# Altium PCB BTF16_2.PcbDoc (part 4 of 4)
Units mm, origin at the board's own origin, x right, y up, seen from the top; angles counter-clockwise.
Board outline 150 x 212.5 mm, 4 copper layers (L1, L2, L3, L4), stack 1.606 mm thick; 313 components, 135 nets, 1767 pads, 1746 vias.
Unrouted connection lines stored in the file: 6.
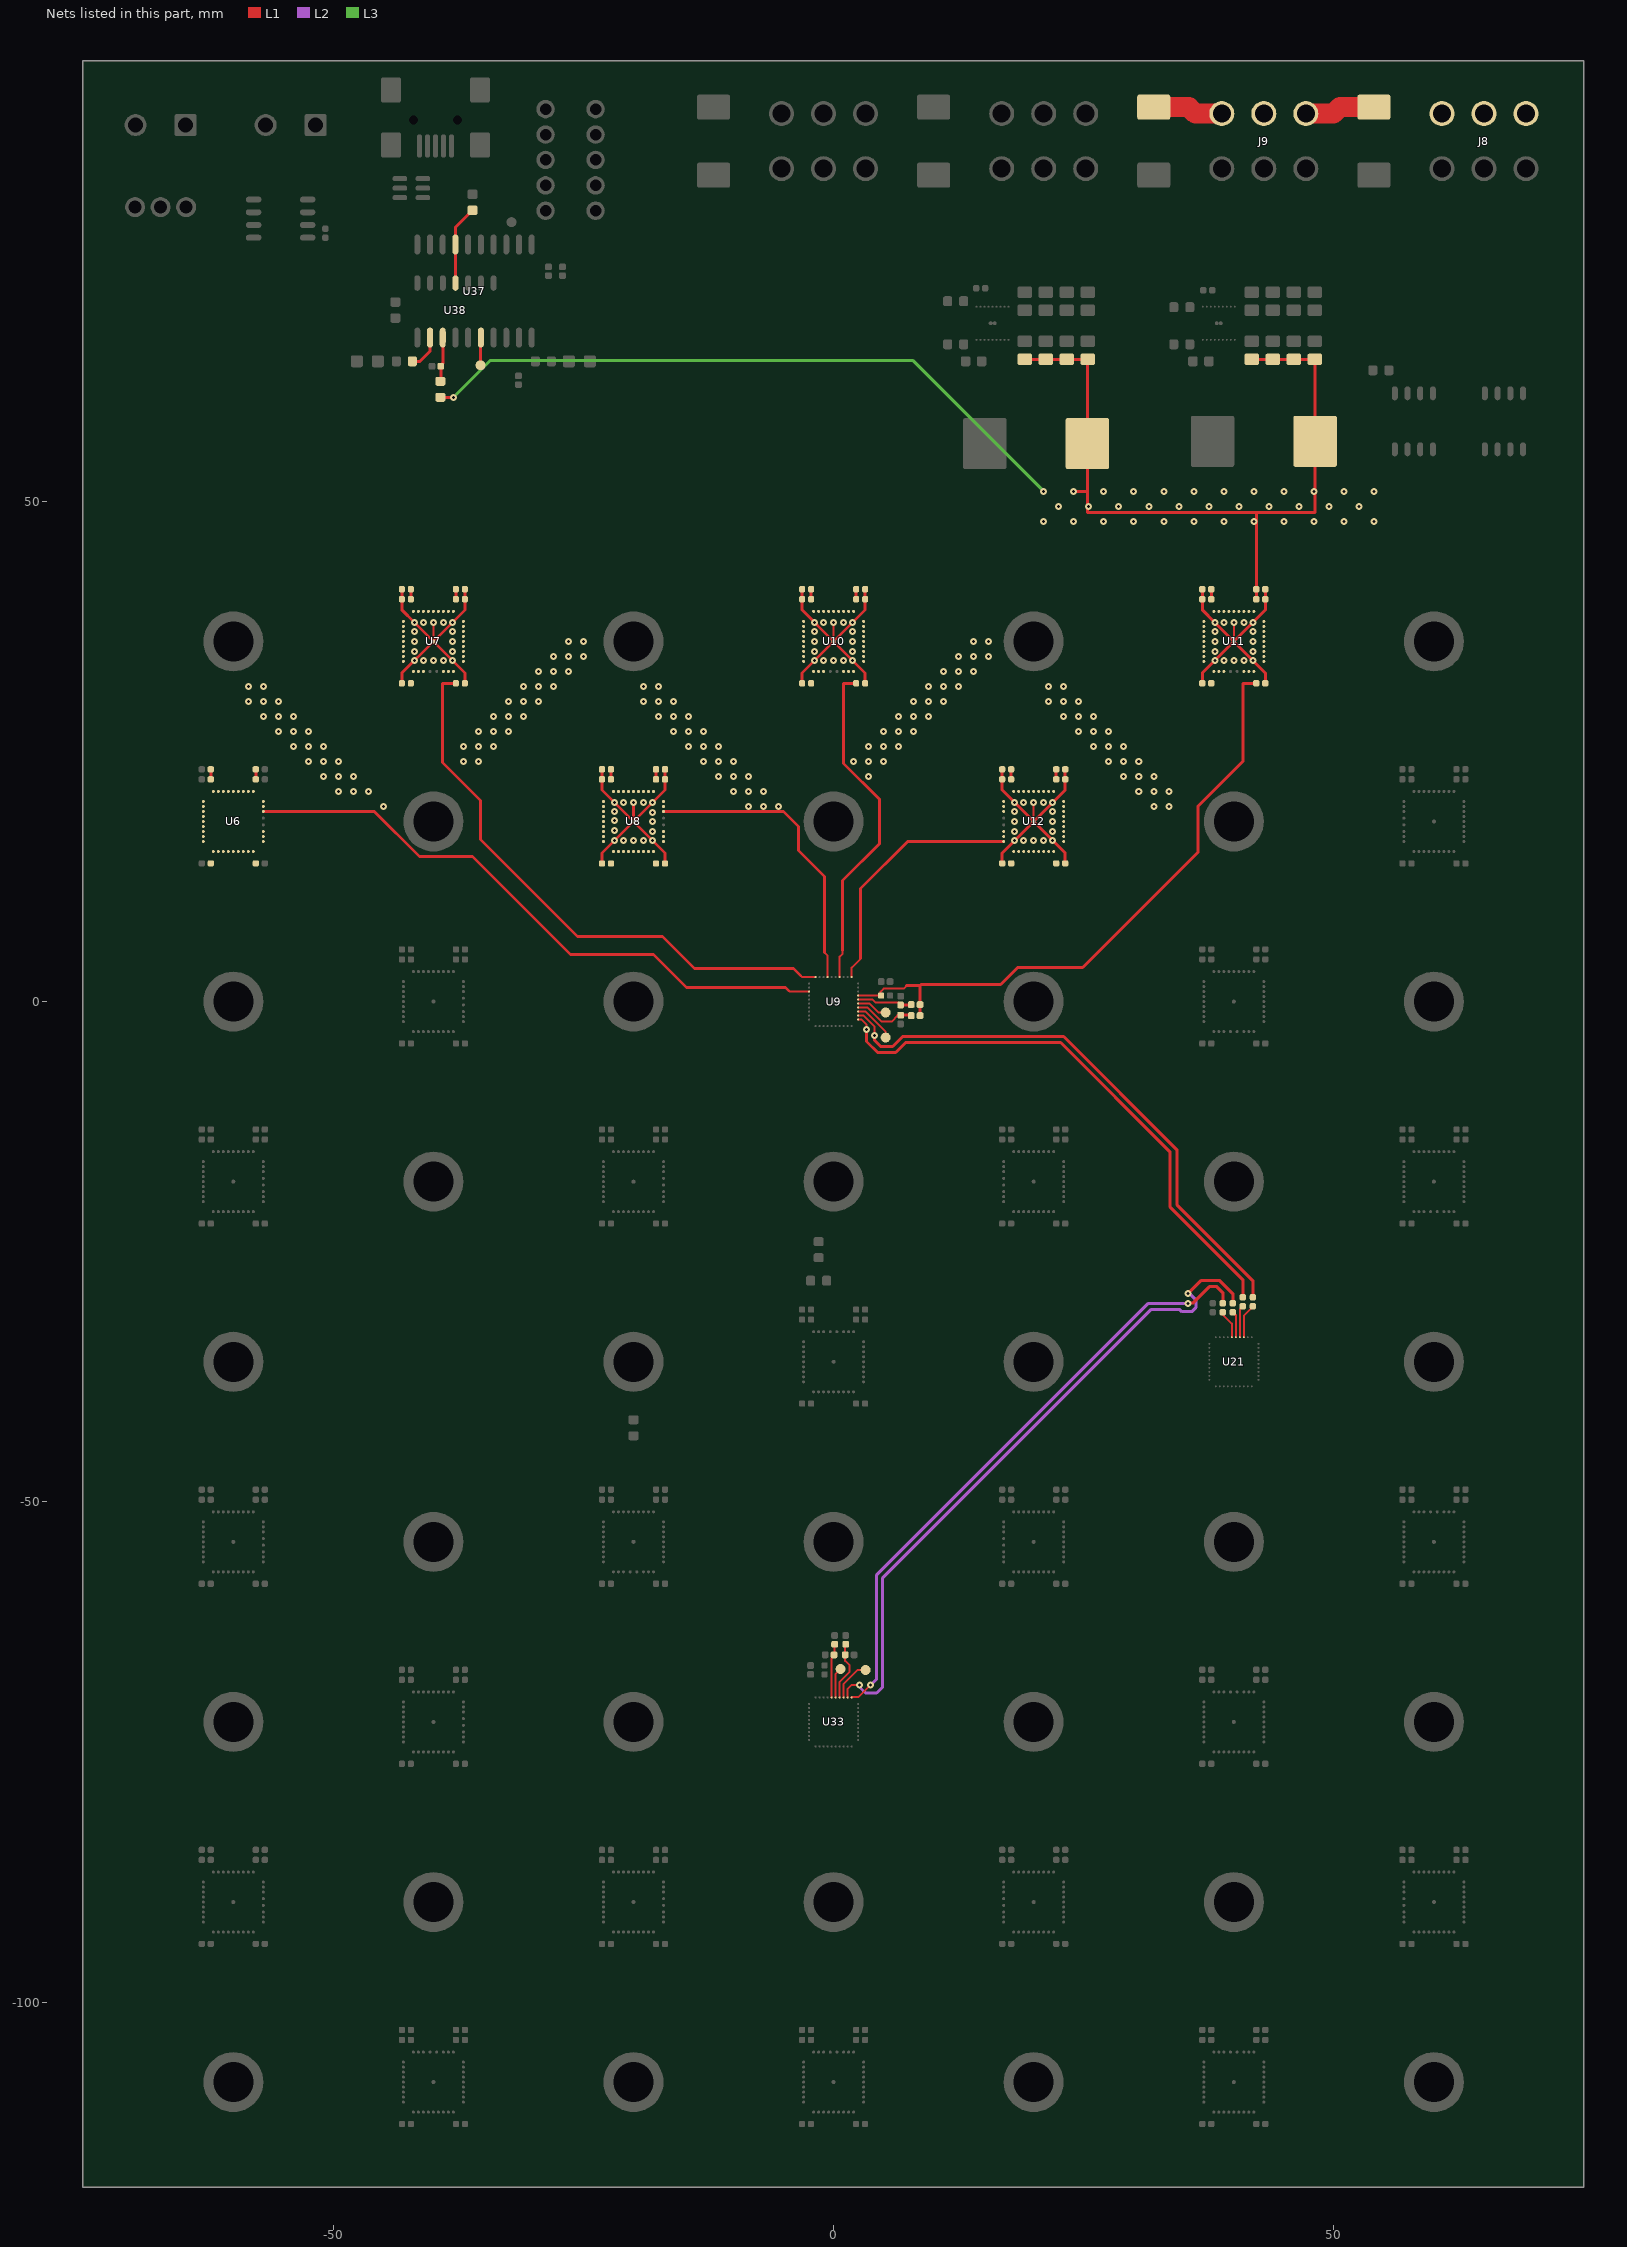
[diagram p6: the nets of this part, all layers, seen from the top]

## Via types
v1: diameter 0.7/0.7/0.7/0.7 (per signal layer), hole 0.3, L1 to L4, 1746 vias

## Nets (pads, with @x,y where several pads share a name; then routed paths per layer and width w, separated by ;. In a path a pad name is that pad's centre, name@x,y a point inside that pad or via, vN(x,y) a via of type N, cw(c..) or ccw(c..) an arc to the next point about the centre after c; other vN are vias at no path point) (continued)
PWR22: C28.1 C29.1 C30.1 C31.2 C32.2 C33.2 C40.1 C41.1 C42.1 C43.2 C44.2 C45.2 U6.1 U6.2 U6.3 U6.4 U6.5 U6.6 U6.7 U6.8 U6.9 U6.10 U6.11 U6.12 U6.13 U6.14 U6.15 U6.16 U6.17 U6.18 U6.19 U6.20 U6.21 U6.24 U6.25 U6.26 U6.27 U6.28 U6.29 U6.30 U6.31 U6.32 U6.33 U6.34 U6.35 U7.36 U9.33 | length 89.9
  L1 w0.2: U7.36@-40,36 v1(-40,37.9) ; -4.5,1.1 -4.4,1 U9.33@-2.45,1
  L1 w0.3: U6.24@-57,19 -45.9,19 -41.4,14.5 -36.1,14.5 -26.3,4.7 -18,4.7 -14.7,1.4 -4.8,1.4 -4.5,1.1 ; C31.2@-43.151,31.816 -43.151,32.849 U7.36@-40,36 ; C32.2@-43.151,41.216 C44.2@-43.151,40.216 -43.151,39.151 v1(-41.9,37.9) U7.36@-40,36 ; C45.2@-36.851,31.816 -36.851,32.851 v1(-38.1,34.1) U7.36@-40,36 ; C33.2@-36.851,41.216 -36.851,39.149 U7.36@-40,36
  L1 w0.305: C41.1@-62.251,22.216 C29.1@-62.251,23.216 ; C40.1@-57.751,22.216 C30.1@-57.751,23.216
  other v1: -45,19.5 -49.5,21 -48,21 -46.5,21 -51,22.5 -49.5,22.5 -48,22.5 -52.5,24 -51,24 -49.5,24 -54,25.5 -52.5,25.5 -51,25.5 -55.5,27 -54,27 -52.5,27 -57,28.5 -55.5,28.5 -54,28.5 -58.5,30 -57,30 -55.5,30 -58.5,31.5 -57,31.5 -41.9,34.1 -41,34.1 -40,34.1 -39,34.1 -41.9,35 -38.1,35 -41.9,36 -38.1,36 -41.9,37 -38.1,37 -41,37.9 -39,37.9 -38.1,37.9
PWR23: C31.1 C32.1 C33.1 C34.2 C35.2 C36.2 C43.1 C44.1 C45.1 C46.2 C47.2 C48.2 U7.1 U7.2 U7.3 U7.4 U7.5 U7.6 U7.7 U7.8 U7.9 U7.10 U7.11 U7.12 U7.13 U7.14 U7.15 U7.16 U7.17 U7.18 U7.19 U7.20 U7.21 U7.24 U7.25 U7.26 U7.27 U7.28 U7.29 U7.30 U7.31 U7.32 U7.33 U7.34 U7.35 U8.36 U9.30 | length 85.7
  L1 w0.2: -3.3,2.6 -3.15,2.45 U9.30@-1.8,2.45
  L1 w0.3: C45.1@-37.751,31.816 -39.1,31.816 -39.1,23.9 -35.3,20.1 -35.3,16.2 -25.6,6.5 -17.1,6.5 -13.9,3.3 -4,3.3 -3.3,2.6 ; C34.2@-23.151,13.816 -23.151,14.849 v1(-21.9,16.1) U8.36@-20,18 ; C35.2@-23.151,23.216 -23.151,21.151 v1(-21.9,19.9) U8.36@-20,18 ; v1(-20,19.9) U8.36@-20,18 ; C48.2@-16.851,13.816 -16.851,14.851 v1(-18.1,16.1) U8.36@-20,18 ; C36.2@-16.851,23.216 C46.2@-16.851,22.216 -16.851,21.149 v1(-18.1,19.9) U8.36@-20,18
  L1 w0.305: C44.1@-42.251,40.216 C32.1@-42.251,41.216 ; C43.1@-37.751,40.216 C33.1@-37.751,41.216
  other v1: -21,16.1 -20,16.1 -19,16.1 -18.1,17 -21.9,17.1 -18.1,18 -21.9,18.1 -18.1,18.9 -21.9,19 -21,19.9 -19,19.9 -37,24 -35.5,24 -37,25.5 -35.5,25.5 -34,25.5 -35.5,27 -34,27 -32.5,27 -34,28.5 -32.5,28.5 -31,28.5 -32.5,30 -31,30 -29.5,30 -31,31.5 -29.5,31.5 -28,31.5 -29.5,33 -28,33 -26.5,33 -28,34.5 -26.5,34.5 -25,34.5 -26.5,36 -25,36
PWR24: C34.1 C35.1 C36.1 C46.1 C47.1 C48.1 C50.2 C51.2 C52.2 C59.2 C60.2 C61.2 U8.1 U8.2 U8.3 U8.4 U8.5 U8.6 U8.7 U8.8 U8.9 U8.10 U8.11 U8.12 U8.13 U8.14 U8.15 U8.16 U8.17 U8.18 U8.19 U8.20 U8.21 U8.24 U8.25 U8.26 U8.27 U8.28 U8.29 U8.30 U8.31 U8.32 U8.33 U8.34 U8.35 U9.27 U10.36 | length 58.3
  L1 w0.2: -0.9,4.9 -0.6,4.6 U9.27@-0.6,2.45 ; U10.36@0,36 v1(0,37.9)
  L1 w0.3: U8.24@-17,19 -5.5,19 -5,19 -3.5,17.5 -3.5,15.1 -0.9,12.5 -0.9,4.9 ; C50.2@-3.151,31.816 -3.151,32.849 v1(-1.9,34.1) U10.36@0,36 ; C51.2@-3.151,41.216 -3.151,39.151 U10.36@0,36 ; C61.2@3.149,31.816 3.149,32.851 U10.36@0,36 ; C52.2@3.149,41.216 C59.2@3.149,40.216 3.149,39.149 v1(1.9,37.9) U10.36@0,36
  L1 w0.305: C47.1@-22.251,22.216 C35.1@-22.251,23.216 ; C46.1@-17.751,22.216 C36.1@-17.751,23.216
  other v1: -8.5,19.5 -7,19.5 -5.5,19.5 -10,21 -8.5,21 -7,21 -11.5,22.5 -10,22.5 -8.5,22.5 -13,24 -11.5,24 -10,24 -14.5,25.5 -13,25.5 -11.5,25.5 -16,27 -14.5,27 -13,27 -17.5,28.5 -16,28.5 -14.5,28.5 -19,30 -17.5,30 -16,30 -19,31.5 -17.5,31.5 -1,34.1 0,34.1 1,34.1 1.9,34.1 -1.9,35 1.9,35 -1.9,36 1.9,36 -1.9,37 1.9,37 -1.9,37.9 -1,37.9 1,37.9
PWR25: C50.1 C51.1 C52.1 C53.2 C54.2 C55.2 C59.1 C60.1 C61.1 C62.2 C63.2 C64.2 U9.24 U10.1 U10.2 U10.3 U10.4 U10.5 U10.6 U10.7 U10.8 U10.9 U10.10 U10.11 U10.12 U10.13 U10.14 U10.15 U10.16 U10.17 U10.18 U10.19 U10.20 U10.21 U10.24 U10.25 U10.26 U10.27 U10.28 U10.29 U10.30 U10.31 U10.32 U10.33 U10.34 U10.35 U12.36 | length 61.7
  L1 w0.2: U9.24@0.6,2.45 0.6,4.5 0.9,4.8 0.9,5.1 ; U12.36@20,18 v1(20,19.9)
  L1 w0.3: 0.9,5.1 0.9,12.1 4.6,15.8 4.6,20.2 1,23.8 1,31.816 C61.1@2.249,31.816 ; C53.2@16.849,13.816 16.849,14.849 U12.36@20,18 ; C54.2@16.849,23.216 C63.2@16.849,22.216 16.849,21.151 v1(18.1,19.9) U12.36@20,18 ; C64.2@23.149,13.816 23.149,14.851 v1(21.9,16.1) U12.36@20,18 ; C55.2@23.149,23.216 C62.2@23.149,22.216 23.149,21.149 U12.36@20,18
  L1 w0.305: C60.1@-2.251,40.216 C51.1@-2.251,41.216 ; C59.1@2.249,40.216 C52.1@2.249,41.216
  other v1: 18.1,16.1 19,16.1 20,16.1 21,16.1 18.1,17 21.9,17 18.1,18 21.9,18 18.1,19 21.9,19 19,19.9 21,19.9 21.9,19.9 3.5,22.5 2,24 3.5,24 5,24 3.5,25.5 5,25.5 6.5,25.5 5,27 6.5,27 8,27 6.5,28.5 8,28.5 9.5,28.5 8,30 9.5,30 11,30 9.5,31.5 11,31.5 12.5,31.5 11,33 12.5,33 14,33 12.5,34.5 14,34.5 15.5,34.5 14,36 15.5,36
PWR26: C53.1 C54.1 C55.1 C56.2 C57.2 C58.2 C62.1 C63.1 C64.1 C65.2 C66.2 C67.2 U9.21 U11.36 U12.1 U12.2 U12.3 U12.4 U12.5 U12.6 U12.7 U12.8 U12.9 U12.10 U12.11 U12.12 U12.13 U12.14 U12.15 U12.16 U12.17 U12.18 U12.19 U12.20 U12.21 U12.24 U12.25 U12.26 U12.27 U12.28 U12.29 U12.30 U12.31 U12.32 U12.33 U12.34 U12.35 | length 53.4
  L1 w0.2: U9.21@1.8,2.45 1.8,3.4 2.7,4.3 ; U11.36@40,36 v1(40,37.9)
  L1 w0.3: 2.7,4.3 2.7,11.3 7.4,16 U12.26@17,16 ; C56.2@36.849,31.816 36.849,32.849 U11.36@40,36 ; C57.2@36.849,41.216 C66.2@36.849,40.216 36.849,39.151 v1(38.1,37.9) U11.36@40,36 ; C67.2@43.149,31.816 43.149,32.851 v1(41.9,34.1) U11.36@40,36 ; C58.2@43.149,41.216 43.149,39.149 U11.36@40,36
  L1 w0.305: C63.1@17.749,22.216 C54.1@17.749,23.216 ; C62.1@22.249,22.216 C55.1@22.249,23.216
  other v1: 32,19.5 33.5,19.5 30.5,21 32,21 33.5,21 29,22.5 30.5,22.5 32,22.5 27.5,24 29,24 30.5,24 26,25.5 27.5,25.5 29,25.5 24.5,27 26,27 27.5,27 23,28.5 24.5,28.5 26,28.5 21.5,30 23,30 24.5,30 21.5,31.5 23,31.5 38.1,34.1 39,34.1 40,34.1 41,34.1 38.1,35 41.9,35 38.1,36 41.9,36 38.1,37 41.9,37 39,37.9 41,37.9 41.9,37.9
RA5: R14.2 U37.2 U38.2 | length 3.6
  L1 w0.3: R14.2@-42.1,64 -41.332,64 -40.332,65 U38.2@-40.332,66.42
RC4: TP6.1 U37.6 U38.6 | length 2.8
  L1 w0.3: TP6.1@-35.3,63.6 -35.3,66.327 U37.6@-35.257,66.37
RX0_2: C70.1 U33.12 | length 67.1
  L1 w0.2: U33.12@1.4,-69.55 1.4,-68.7 1.8,-68.3 v1(2.6,-68.3)
  L1 w0.3: v1(35.4,-29.2) 36.7,-27.9 38.6,-27.9 39.9,-29.2 C70.1@39.9,-30.15
  L2 w0.3: v1(2.6,-68.3) 2.6,-68.5 3.2,-69.1 4.3,-69.1 4.9,-68.5 4.9,-57.6 31.7,-30.8 34.6,-30.8 34.8,-31 35.8,-31 36.2,-30.6 36.2,-29.8 35.6,-29.2 v1(35.4,-29.2)
RX0_3: C68.1 U9.12 | length 56.9
  L1 w0.2: U9.12@2.45,-1.4 3,-1.4 4.1,-2.5 v1(4.1,-3.4)
  L1 w0.3: v1(4.1,-3.4) 4.1,-3.9 4.7,-4.5 5.9,-4.5 6.9,-3.5 23,-3.5 34.3,-14.8 34.3,-20.3 41.9,-27.9 C68.1@41.9,-29.55
RX1_1: C69.2 U21.14 | length 3.2
  L1 w0.2: U21.14@40.6,-33.55 40.6,-30.747 40.897,-30.45 C69.2@40.9,-30.45
RX1_2: R7.1 R10.1 U33.14 | length 5.9
  L1 w0.2: U33.14@0.6,-69.55 0.6,-68 1.6,-67 1.6,-66.34 1.16,-65.9 1.16,-64.28 R7.1@1.2,-64.24
RX1_3: R2.1 R5.1 U9.14 | length 6.2
  L1 w0.2: U9.14@2.45,-0.6 3.4,-0.6 4.8,-2 5.8,-2 6.4,-1.36 R5.1@6.7,-1.36
  L1 w0.3: R5.1@6.7,-1.36 7.72,-1.36 R2.1@7.76,-1.4
RX2_1: C71.2 U21.16 | length 2.9
  L1 w0.2: C71.2@38.9,-31.05 38.9,-31.3 39.8,-32.2 U21.16@39.8,-33.55
RX2_2: R6.1 R9.1 U33.16 | length 5.5
  L1 w0.2: U33.16@-0.2,-69.55 -0.2,-65.6 R9.1@0.1,-65.3 ; R9.1@0.04,-65.3 R9.1@0.1,-65.3 ; R6.1@0.1,-64.24 R9.1@0.1,-65.3
RX2_3: R1.1 R4.1 U9.16 | length 5.6
  L1 w0.2: U9.16@2.45,0.2 3.9,0.2 4.2,-0.1 6.497,-0.1 6.719,-0.321 R4.1@6.737,-0.34
  L1 w0.3: R4.1@6.7,-0.34 6.737,-0.34 7.661,-0.34 7.699,-0.302 7.7,-0.302 R1.1@7.76,-0.3
TX0_2: C71.1 U33.11 | length 61.6
  L1 w0.2: U33.11@1.8,-69.55 1.8,-69.5 2.5,-69.5 v1(3.7,-68.3)
  L1 w0.3: v1(35.4,-30.2) 35.4,-30.15 35.9,-30.15 37.55,-28.5 38.3,-28.5 38.9,-29.1 C71.1@38.9,-30.15
  L2 w0.3: v1(3.7,-68.3) 4.3,-67.7 4.3,-57.3 31.4,-30.2 v1(35.4,-30.2)
TX0_3: C69.1 U9.11 | length 56
  L1 w0.2: U9.11@2.45,-1.8 2.8,-1.8 3.3,-2.3 v1(3.3,-2.8)
  L1 w0.3: v1(3.3,-2.8) 3.3,-4 4.4,-5.1 6.2,-5.1 7.2,-4.1 22.7,-4.1 33.6,-15 33.6,-20.5 40.9,-27.8 C69.1@40.9,-29.55
TX1_1: C68.2 U21.13 | length 3.5
  L1 w0.2: U21.13@41,-33.55 41,-31.4 41.9,-30.5 C68.2@41.9,-30.45
TX1_2: TP3.1 U33.13 | length 4.1
  L1 w0.2: U33.13@1,-69.55 1,-68.2 2.4,-66.8 TP3.1@3.2,-66.8
TX1_3: TP1.1 U9.13 | length 4.2
  L1 w0.2: U9.13@2.45,-1 3.2,-1 5.2,-3 TP1.1@5.2,-3.6
TX2_1: C70.2 U21.15 | length 2.6
  L1 w0.2: C70.2@39.9,-31.05 40.2,-31.35 U21.15@40.2,-33.55
TX2_2: TP4.1 U33.15 | length 3.1
  L1 w0.2: U33.15@0.2,-69.55 0.2,-67.2 TP4.1@0.7,-66.7
TX2_3: TP2.1 U9.15 | length 3.1
  L1 w0.2: U9.15@2.45,-0.2 3.6,-0.2 4.5,-1.1 TP2.1@5.2,-1.1
VCC: C49.1 C56.1 C57.1 C58.1 C65.1 C66.1 C67.1 C211.1 C212.1 C213.1 C214.1 C221.1 C222.1 C223.1 C224.1 D5.1 D6.1 J8.1 J8.2 J8.3 J9.1 J9.2 J9.3 L1.1 L2.1 R1.2 R2.2 R11.1 U9.17 U11.1 U11.2 U11.3 U11.4 U11.5 U11.6 U11.7 U11.8 U11.9 U11.10 U11.11 U11.12 U11.13 U11.14 U11.15 U11.16 U11.17 U11.18 U11.19 U11.20 U11.21 U11.24 U11.25 U11.26 U11.27 U11.28 U11.29 U11.30 U11.31 U11.32 U11.33 U11.34 U11.35 | length 221.7
  L1 w0.2: U9.17@2.45,0.6 C49.1@4.7,0.6 ; C49.1@4.75,0.6 C49.1@4.7,0.6 ; 7.3,1.6 7,1.3 5,1.3 4.7,1 C49.1@4.7,0.6
  L1 w0.3: R11.1@-39.3,60.4 v1(-38,60.4) ; 7.3,1.6 8.64,1.6 ; R2.2@8.64,-1.4 R1.2@8.64,-0.3 8.64,1.6 ; C222.1@19.1,64.2 C223.1@21.2,64.2 C221.1@23.3,64.2 C224.1@25.4,64.2 25.367,64.167 L2.1@25.367,55.771 25.367,51 ; v1(24,51) 25.367,51 ; C212.1@41.8,64.2 C213.1@43.9,64.2 C211.1@46,64.2 C214.1@48.1,64.2 48.1,56.025 L1.1@48.125,56 48.125,48.9 42.249,48.9 ; C67.1@42.249,31.816 40.9,31.816 40.9,24 36.4,19.5 36.4,14.9 24.9,3.4 18.4,3.4 16.7,1.7 8.74,1.7 8.64,1.6 ; C58.1@42.249,41.216 42.249,48.9 ; 25.367,51 25.367,48.9 42.249,48.9
  L1 w0.305: C66.1@37.749,40.216 C57.1@37.749,41.216 ; C65.1@42.249,40.216 C58.1@42.249,41.216
  L1 w2: D5.1@32,89.4 35.5,89.4 36.15,88.75 J9.1@38.8,88.75 ; J9.3@47.2,88.75 49.95,88.75 50.6,89.4 D6.1@54,89.4
  L3 w0.3: v1(-38,60.4) -34.3,64.1 7.9,64.1 v1(21,51)
  other v1: 21,48 24,48 27,48 30,48 33,48 36,48 39,48 42,48 45,48 48,48 51,48 54,48 22.5,49.5 25.5,49.5 28.5,49.5 31.5,49.5 34.5,49.5 37.5,49.5 40.5,49.5 43.5,49.5 46.5,49.5 49.5,49.5 52.5,49.5 27,51 30,51 33,51 36,51 39,51 42,51 45,51 48,51 51,51 54,51
VMEAS: R11.2 R12.1 U37.3 U38.3 | length 4.5
  L1 w0.3: R11.2@-39.3,62 -39.26,62.04 R12.1@-39.26,63.5 -39.26,63.602 -39.062,63.8 U38.3@-39.062,66.42
VUSB3V3: C207.1 U37.17 U38.11 | length 8
  L1 w0.3: U38.11@-37.792,71.82 -37.797,71.825 U37.17@-37.797,75.67 -37.797,77.403 C207.1@-36.1,79.1
pads on no net: J3.10 J3.11 J10.1 J11.1 J12.1 J13.1 J14.1 J15.1 J16.1 J17.1 J18.1 J19.1 J20.1 J21.1 J22.1 J23.1 J24.1 J25.1 J26.1 J27.1 J28.1 J29.1 J30.1 J31.1 J32.1 J33.1 J34.1 J35.1 J36.1 J37.1 J38.1 J39.1 J40.1 J41.1 U21.20 U21.23 U21.26 U21.29 U21.32 U21.35

## Polygon pours and split planes (outlines as drawn)
GND on L1 "L1-GND" (hatched Horizontal grid 0.2 track 0.2, remove dead copper, pour order 159): -78,97.5 78,97.5 78,36 -78,36
PWR4 on L1 "L1-$1I69\PWR4" (solid, remove dead copper, pour order 158): 40.038,-54.1 60.038,-72.1 78.038,-72.1 78.038,-36.1 60.038,-36.1 40.038,-36
PWR20 on L1 "L1-$1I79\PWR20" (solid, remove dead copper, pour order 157): -40,-18 -60,0 -78,0 -78,-36 -40,-36
PWR14 on L1 "L1-$1I74\PWR14" (solid, remove dead copper, pour order 156): -40,-54 -40,-36 -78,-36 -78,-72 -60,-72
PWR3 on L1 "L1-$1I69\PWR3" (solid, remove dead copper, pour order 155): 40.038,-18.1 40.038,-36 60.038,-36.1 78.038,-36.1 78.038,-0.1 60.038,-0.1
PWR12 on L1 "L1-$1I74\PWR12" (solid, remove dead copper, pour order 154): -40,-90 -60,-72 -78,-72 -78,-119 -72.222,-119
PWR6 on L1 "L1-PWR6" (solid, remove dead copper, pour order 153): 40.038,-90.1 72.149,-119 78.038,-119 78.038,-72.1 60.038,-72.1
PWR18 on L1 "L1-$1I79\PWR18" (solid, remove dead copper, pour order 152): 20.141,0 0,0 0,-18 20,-36 40,-36 40,-18
PWR15 on L1 "L1-PWR15" (solid, remove dead copper, pour order 151): -19.859,-36 -40,-36 -40,-54 -20,-72 0,-72 0,-54
PWR19 on L1 "L1-$1I79\PWR19" (solid, remove dead copper, pour order 150): -20,0 -40,-18 -40,-36 -20,-36 0,-18 0,0
PWR16 on L1 "L1-PWR16" (solid, remove dead copper, pour order 149): 20,-36 0,-54 0,-72 20,-72 40,-54 40,-36
PWR22 on L1 "L1-$1I79\PWR22" (solid, remove dead copper, pour order 148): -40,18 -60,36 -78,36 -78,0 -60,0
PWR1 on L1 "L1-$1I69\PWR1" (solid, remove dead copper, pour order 147): 40.038,17.9 60.038,-0.1 78.038,-0.1 78.038,35.9 60.038,35.9
PWR10 on L1 "L1-PWR10" (solid, remove dead copper, pour order 146): -20,-72 -40,-90 -20,-108 0.3,-89.73 0.3,-72
PWR26 on L1 "L1-$1I79\PWR26" (solid, remove dead copper, pour order 145): 20,36 0,18 0,0 20,0 40,18 20.141,36
PWR24 on L1 "L1-$1I79\PWR24" (solid, remove dead copper, pour order 144): -20,36 0,18 0,0 -20,0 -40,18
PWR8 on L1 "L1-PWR8" (solid, remove dead copper, pour order 143): 20.141,-72 0.4,-72 0.4,-90.36 20,-108 40,-90
PWR11 on L1 "L1-PWR11" (solid, remove dead copper, pour order 142): -72,-118.9 -72,-118.657 -40,-90 -20,-108 -20,-118.9
PWR7 on L1 "L1-PWR7" (solid, remove dead copper, pour order 141): 19.9,-118.9 19.9,-108 40,-90 71,-117.9 71,-118.9
VCC on L1 "L1-VCC 1" (solid, remove dead copper, pour order 140): 60.1,46.9 60.1,36 40,18 20,36 20,46.9
PWR9 on L1 "L1-PWR9" (solid, remove dead copper, pour order 139): -20.1,-118.9 -20.1,-108 0,-90 20,-108 20,-118.9
PWR23 on L1 "L1-$1I79\PWR23" (solid, remove dead copper, pour order 138): -19.9,46.9 -19.9,36 -40,18 -60,36 -60,46.9
PWR25 on L1 "L1-$1I79\PWR25" (solid, remove dead copper, pour order 137): 20.1,46.9 20.1,36 0,18 -20,36 -20,46.9
PWR2 on L1 "L1-$1I69\PWR2" (solid, remove dead copper, pour order 136): 40,18 20,0 40,-18 60,0 40.141,18
PWR13 on L1 "L1-$1I74\PWR13" (solid, remove dead copper, pour order 135): -40,-54 -60,-72 -40,-90 -20,-72 -39.859,-54
PWR5 on L1 "L1-PWR5" (solid, remove dead copper, pour order 134): 40,-54 20,-72 40,-90 60,-72 40.141,-54
PWR17 on L1 "L1-$1I79\PWR17" (solid, remove dead copper, pour order 133): 0,-18 -20,-36 0,-54 20,-36 0.141,-18
PWR21 on L1 "L1-$1I79\PWR21" (solid, remove dead copper, pour order 132): -40,18 -20,0 -40,-18 -60,0
VCC on L1 "L1-VCC" (solid, remove dead copper, pour order 131): 20.3,44 20.3,60.2 18.3,62.2 18.3,64.8 50.2,64.8 55,60 55,44
PWR0 on L1 "L1-PWR0" (solid, remove dead copper, pour order 130): 55.3,59.4 55.3,47.2 60.4,47.2 60.4,36.2 76.6,36.2 76.6,59.4
NetL1_2 on L1 "L1-$1I568\$1N1036" (solid, remove dead copper, pour order 129): 38.4,66.6 38.4,62.9 35.4,59.9 35.4,53 42.7,53 42.7,60 40.95,61.75 40.95,66.6
NetL2_2 on L1 "L1-$1I568\$1N1039" (hatched Horizontal grid 0.2 track 0.2, remove dead copper, pour order 128): 15.7,66.6 15.7,62.9 12.7,59.9 12.7,53 20,53 20,60 18.25,61.75 18.25,66.6
12V on L1 "L1-12V" (solid, remove dead copper, pour order 127): 15.5,69 15.5,75.5 26.5,75.5 26.5,70.3 18.3,70.3 17.7,69.7 17.7,69
12V on L1 "L1-12V 1" (solid, remove dead copper, pour order 126): 38.4,69 38.4,75.5 49.1,75.5 49.1,70.3 40.9,70.3 40.3,69.7 40.3,69
GND on L2 "L2-GND" (solid, remove dead copper, pour order 189): -79,96.8 81.3,96.8 81.3,36 -79,36
PWR19 on L2 "L2-$1I79\PWR19" (solid, remove dead copper, pour order 188): -40,-54 -15.778,-32.2 -35.778,-14.2 -40,-18 -60,0 -79,0 -79,-36 -60,-36
PWR5 on L2 "L2-PWR5 1" (solid, remove dead copper, pour order 187): 20,-36 43.944,-57.55 23.944,-75.55 20,-72 0,-90 -20,-72
PWR0 on L2 "L2-PWR0" (solid, remove dead copper, pour order 186): 55.3,59.4 55.3,47.2 60,47.2 60,36 40,18 60.4,0 78,0 78,59.4
PWR11 on L2 "L2-PWR11" (solid, remove dead copper, pour order 185): -35.722,-93.85 -64.556,-119.8 -79,-119.8 -79,-72 -60,-72
PWR5 on L2 "L2-PWR5" (solid, remove dead copper, pour order 184): 35.556,-86 55.556,-68 60,-72 78,-72 78,-119 72.222,-119
PWR13 on L2 "L2-$1I74\PWR13" (solid, remove dead copper, pour order 183): -35.556,-58 -55.556,-76 -60,-72 -79,-72 -79,-36 -60,-36
PWR21 on L2 "L2-$1I79\PWR21" (solid, remove dead copper, pour order 182): -35.556,14 -55.556,-4 -60,0 -79,0 -79,36 -60,36
PWR3 on L2 "L2-$1I69\PWR3" (solid, remove dead copper, pour order 181): 60,-72 40,-54 60,-36 67,-29 78,-29 78,-72
PWR2 on L2 "L2-$1I69\PWR2" (solid, remove dead copper, pour order 180): 36.167,-14.55 56.167,3.45 60,0 78,0 78,-28.9 67.1,-28.9 60,-36
PWR9 on L2 "L2-PWR9" (solid, remove dead copper, pour order 179): -40,-90 -20,-72 4.222,-93.8 -15.778,-111.8
PWR7 on L2 "L2-PWR7" (solid, remove dead copper, pour order 178): 0,-90 20,-72 44.167,-93.75 24.167,-111.75
PWR17 on L2 "L2-$1I79\PWR17" (solid, remove dead copper, pour order 177): 16,-39.6 40,-18 20,0 0.1,-18 0.1,-24.1
PWR22 on L2 "L2-$1I79\PWR22" (solid, remove dead copper, pour order 176): -19.9,46.9 -19.9,36 -40,18 -60,36 -60,46.9
PWR26 on L2 "L2-$1I79\PWR26" (solid, remove dead copper, pour order 175): 60.1,46.9 60.1,36 40,18 20,36 20,46.9
PWR23 on L2 "L2-$1I79\PWR23" (solid, remove dead copper, pour order 174): -20,0 -43.917,21.525 -23.917,39.525 0,18
PWR24 on L2 "L2-$1I79\PWR24" (solid, remove dead copper, pour order 173): 20.1,46.9 20.1,36 0,18 -20,36 -20,46.9
PWR25 on L2 "L2-$1I79\PWR25" (solid, remove dead copper, pour order 172): 20,0 -4.25,21.825 15.75,39.825 40,18
GND_M3 on L2 "L2-GND_M3" (solid, remove dead copper, pour order 171): 0,18 -20,0 -5,-13.6 -5,-23.9 0,-23.9 0,-18 20,0 0.141,18
PWR0 on L2 "L2-PWR0 1" (solid, remove dead copper, pour order 170): 40,-18 20,-36 40,-54 60,-36 40.141,-18
PWR14 on L2 "L2-$1I74\PWR14" (solid, remove dead copper, pour order 169): -20,-36 -40,-54 -20,-72 0,-54 -19.859,-36
PWR6 on L2 "L2-PWR6" (solid, remove dead copper, pour order 168): 20.4,-118.45 20.4,-115.075 44.117,-93.835 71,-118.03 71,-118.45
PWR10 on L2 "L2-PWR10" (solid, remove dead copper, pour order 167): -63,-118.45 -63,-118.224 -35.802,-93.868 -19.95,-108.135 -19.95,-118.45
PWR8 on L2 "L2-PWR8" (solid, remove dead copper, pour order 166): -19.7,-118.45 -19.7,-115.164 4.134,-93.82 20.05,-108.145 20.05,-118.45
PWR1 on L2 "L2-$1I69\PWR1" (solid, remove dead copper, pour order 165): 40,18 20,0 36.117,-14.505 56.13,3.507 40.141,18
PWR20 on L2 "L2-$1I79\PWR20" (solid, remove dead copper, pour order 164): -35.444,13.9 -20,0 -40,-18 -55.444,-4.1
PWR12 on L2 "L2-$1I74\PWR12" (solid, remove dead copper, pour order 163): -40,-90 -20,-72 -35.389,-58.15 -55.389,-76.15
PWR18 on L2 "L2-$1I79\PWR18" (solid, remove dead copper, pour order 162): -20,0 -35.556,-14 -21.05,-27.055 -15.287,-32.313 -5.475,-22.5 -5.475,-13.037 -19.859,0
PWR16 on L2 "L2-PWR16" (solid, remove dead copper, pour order 161): -17.86,-37.926 0,-54 15.941,-39.852 -0.113,-24.2 -4.228,-24.2
PWR4 on L2 "L2-$1I69\PWR4" (solid, remove dead copper, pour order 160): 23.944,-75.55 43.944,-57.55 55.556,-68 35.556,-86
GND on L3 "L3-GND" (solid, remove dead copper, pour order 218): -78,97.5 78,97.5 78,36 -78,36
12V on L3 "L3-12V" (solid, remove dead copper, pour order 217): -9.3,97.4 78.4,97.4 78.4,67.8 -9.3,67.8
PWR0 on L3 "L3-PWR0" (solid, remove dead copper, pour order 216): 60,36 44.278,21.85 60,7.7 60,0 20,-36 40,-54 60,-36 67,-29 78,-29 78,36
PWR18 on L3 "L3-$1I79\PWR18" (solid, remove dead copper, pour order 215): -40,-18 0,18 23.917,-3.525 3.917,-21.525 0,-18 -20,-36
PWR15 on L3 "L3-PWR15" (solid, remove dead copper, pour order 214): 23.667,-39.3 40,-54 0,-90 -24.167,-68.25 -4.167,-50.25 3.667,-57.3
PWR14 on L3 "L3-$1I74\PWR14" (solid, remove dead copper, pour order 213): -24,-68.4 -40,-54 -44.5,-58.05 -64.5,-40.05 -40,-18 -4,-50.4
PWR5 on L3 "L3-PWR5" (solid, remove dead copper, pour order 212): 60,-72 76.9,-72 76.9,-118.6 60,-118.6 60,-100.9 43.944,-86.45
PWR10 on L3 "L3-PWR10" (solid, remove dead copper, pour order 211): -36,-86.4 -72,-118.8 -20.1,-118.8 -20.1,-108 -16.04,-104.364
PWR11 on L3 "L3-PWR11" (solid, remove dead copper, pour order 210): -44.333,-93.9 -68.667,-72 -78,-72 -78,-119 -72.222,-119
PWR22 on L3 "L3-$1I79\PWR22" (solid, remove dead copper, pour order 209): -44,14.4 -20,36 -20,46.8 -59.9,46.8 -59.9,36 -63.96,32.364
PWR26 on L3 "L3-$1I79\PWR26" (solid, remove dead copper, pour order 208): 36,14.4 60,36 60,46.8 20.1,46.8 20.1,36 16.04,32.364
PWR24 on L3 "L3-$1I79\PWR24" (solid, remove dead copper, pour order 207): -4,14.4 20,36 20,46.8 -19.9,46.8 -19.9,36 -23.96,32.364
PWR8 on L3 "L3-PWR8" (solid, remove dead copper, pour order 206): 4,-86.4 -20,-108 -20,-118.8 19.9,-118.8 19.9,-108 23.96,-104.364
PWR3 on L3 "L3-$1I69\PWR3" (solid, remove dead copper, pour order 205): 69,-72 44.5,-49.95 60,-36 67,-29 78,-29 78,-72
PWR6 on L3 "L3-PWR6" (solid, remove dead copper, pour order 204): 44,-86.4 20,-108 20,-118.8 59.9,-118.8 59.9,-100.8
PWR4 on L3 "L3-$1I69\PWR4" (solid, remove dead copper, pour order 203): 20,-72 40,-90 64.167,-68.25 44.167,-50.25
PWR12 on L3 "L3-$1I74\PWR12" (solid, remove dead copper, pour order 202): -44,-93.6 -20,-72 -40,-54 -59.9,-72 -63.96,-75.636
PWR20 on L3 "L3-$1I79\PWR20" (solid, remove dead copper, pour order 201): -44,-21.6 -20,0 -40,18 -59.9,0 -63.96,-3.636
PWR1 on L3 "L3-$1I69\PWR1" (solid, remove dead copper, pour order 200): 20,0 40,-18 60,0 60,7.6 44.3,21.8 40,18
PWR16 on L3 "L3-PWR16" (solid, remove dead copper, pour order 199): -20,-36 0,-18 23.5,-39.15 3.5,-57.15
PWR19 on L3 "L3-$1I79\PWR19" (solid, remove dead copper, pour order 198): -44.333,-21.9 -68.667,0 -78,0 -78,-36 -60,-36
PWR21 on L3 "L3-$1I79\PWR21" (solid, remove dead copper, pour order 197): -44.333,14.1 -68.667,36 -78,36 -78,0 -60,0
PWR13 on L3 "L3-$1I74\PWR13" (solid, remove dead copper, pour order 196): -44.333,-57.9 -68.667,-36 -78,-36 -78,-72 -60,-72
PWR17 on L3 "L3-$1I79\PWR17" (solid, remove dead copper, pour order 195): 4.056,-21.65 24.056,-3.65 40,-18 20,-36
PWR25 on L3 "L3-$1I79\PWR25" (solid, remove dead copper, pour order 194): 15.939,32.345 35.939,14.345 20,0 0,18
PWR23 on L3 "L3-$1I79\PWR23" (solid, remove dead copper, pour order 193): -24.061,32.345 -4.061,14.345 -20,0 -40,18
PWR7 on L3 "L3-PWR7" (solid, remove dead copper, pour order 192): 4.222,-86.2 20,-72 40,-90 24.222,-104.2
PWR9 on L3 "L3-PWR9" (solid, remove dead copper, pour order 191): -35.778,-86.2 -20,-72 0,-90 -15.778,-104.2
PWR0 on L3 "L3-PWR0 1" (solid, remove dead copper, pour order 190): 55.3,59.4 55.3,47.2 60.4,47.2 60.4,32.7 76.6,32.7 76.6,59.4
GND on L4 "L4-GND" (solid, remove dead copper, pour order 250): -78,97.5 78,97.5 78,36 -78,36
VCC on L4 "L4-VCC" (solid, remove dead copper, pour order 249): 20.4,47.1 20.4,65.2 29.45,74.25 29.45,95.6 77.6,95.6 77.6,59.7 54.7,59.7 54.7,47.1
PWR0 on L4 "L4-PWR0 1" (solid, remove dead copper, pour order 248): 55.3,59.4 55.3,47.2 60,47.2 60,36 40,18 60.4,0 78,0 78,59.4
PWR19 on L4 "L4-$1I79\PWR19" (solid, remove dead copper, pour order 247): -40,-18 -60,0 -78,0 -78,-36 -40,-36
PWR13 on L4 "L4-$1I74\PWR13" (solid, remove dead copper, pour order 246): -40,-54 -40,-36 -78,-36 -78,-72 -60,-72
PWR11 on L4 "L4-PWR11" (solid, remove dead copper, pour order 245): -40,-90 -60,-72 -78,-72 -78,-119 -72.222,-119
PWR5 on L4 "L4-PWR5 1" (solid, remove dead copper, pour order 244): 40.038,-90.1 72.149,-119 78.038,-119 78.038,-72.1 60.038,-72.1
PWR2 on L4 "L4-$1I69\PWR2" (solid, remove dead copper, pour order 243): 40.038,-18.1 60.038,-36.1 78.038,-36.1 78.038,-0.1 60.038,-0.1
PWR3 on L4 "L4-$1I69\PWR3" (solid, remove dead copper, pour order 242): 40.038,-54.1 60.038,-72.1 78.038,-72.1 78.038,-36.1 60.038,-36.1
PWR21 on L4 "L4-$1I79\PWR21" (solid, remove dead copper, pour order 241): -40,18 -60,36 -78,36 -78,0 -60,0
PWR18 on L4 "L4-$1I79\PWR18" (solid, remove dead copper, pour order 240): -20,0 -40,-18 -40,-36 -20,-36 0,-18 -19.859,0
PWR14 on L4 "L4-$1I74\PWR14" (solid, remove dead copper, pour order 239): -19.859,-36 -40,-36 -40,-54 -20,-72 0,-54
PWR10 on L4 "L4-PWR10" (solid, remove dead copper, pour order 238): -72,-118.9 -72,-118.657 -40,-90 -20,-108 -20,-118.9
PWR6 on L4 "L4-PWR6" (solid, remove dead copper, pour order 237): 19.9,-118.9 19.9,-108 40,-90 71,-117.9 71,-118.9
PWR8 on L4 "L4-PWR8" (solid, remove dead copper, pour order 236): -20.1,-118.9 -20.1,-108 0,-90 20,-108 20,-118.9
PWR22 on L4 "L4-$1I79\PWR22" (solid, remove dead copper, pour order 235): -19.9,46.9 -19.9,36 -40,18 -60,36 -60,46.9
PWR26 on L4 "L4-$1I79\PWR26" (solid, remove dead copper, pour order 234): 60.1,46.9 60.1,36 40,18 20,36 20,46.9
PWR24 on L4 "L4-$1I79\PWR24" (solid, remove dead copper, pour order 233): 20.1,46.9 20.1,36 0,18 -20,36 -20,46.9
PWR17 on L4 "L4-$1I79\PWR17" (solid, remove dead copper, pour order 232): 20,0 0,-18 20,-36 40,-18 20.141,0
PWR1 on L4 "L4-$1I69\PWR1" (solid, remove dead copper, pour order 231): 40,18 20,0 40,-18 60,0 40.141,18
GND_M3 on L4 "L4-GND_M3" (solid, remove dead copper, pour order 230): 0,18 -20,0 0,-18 20,0 0.141,18
PWR7 on L4 "L4-PWR7" (solid, remove dead copper, pour order 229): 20,-72 0,-90 20,-108 40,-90 20.141,-72
PWR25 on L4 "L4-$1I79\PWR25" (solid, remove dead copper, pour order 228): 20,36 0,18 20,0 40,18 20.141,36
PWR15 on L4 "L4-PWR15" (solid, remove dead copper, pour order 227): 20,-36 0,-54 20,-72 40,-54 20.141,-36
PWR0 on L4 "L4-PWR0" (solid, remove dead copper, pour order 226): 40,-18 20,-36 40,-54 60,-36 40.141,-18
PWR4 on L4 "L4-$1I69\PWR4" (solid, remove dead copper, pour order 225): 40,-54 20,-72 40,-90 60,-72 40.141,-54
PWR12 on L4 "L4-$1I74\PWR12" (solid, remove dead copper, pour order 224): -40,-54 -60,-72 -40,-90 -20,-72 -39.859,-54
PWR16 on L4 "L4-PWR16" (solid, remove dead copper, pour order 223): 0,-18 -20,-36 0,-54 20,-36 0.141,-18
PWR9 on L4 "L4-PWR9" (solid, remove dead copper, pour order 222): -20,-72 -40,-90 -20,-108 0,-90 -19.859,-72
PWR20 on L4 "L4-$1I79\PWR20" (solid, remove dead copper, pour order 221): -40,18 -20,0 -40,-18 -60,0
PWR5 on L4 "L4-PWR5" (solid, remove dead copper, pour order 220): 0,-54 20,-72 0,-90 -20,-72
PWR23 on L4 "L4-$1I79\PWR23" (solid, remove dead copper, pour order 219): -20,36 0,18 -20,0 -40,18

## Keep-outs
Keep-Out Layer:
  the board outline again, w0.2

## Other copper
L1:
  rectangle net NetL1_2: 38.423,64.9 40.5,66.527
  rectangle net NetL2_2: 15.823,65.112 18,66.527
  pour cut-out: -43,85.7 -40.3,85.7 -40.3,81.4 -43,81.4 -43,85.7
  text "Top" at 18.118,-156.461 h1.35
L2:
  text "Inner 1" at 16.859,-156.236 h1.35
L3:
  text "Inner 2" at 16.569,-156.236 h1.35
L4:
  text "Bottom" at 16.454,-156.236 h1.35
  text "Bottom" at 16.454,-156.236 h1.35
Multi-Layer:
  lines w0.05: -101.975,-192.436 -101.825,-192.436 -101.975,-192.436 ; -101.975,-192.436 -101.975,-192.286 -101.975,-192.436
  lines w0.1: -96.975,-179.936 -91.975,-179.936 93.025,-179.936 ; -96.975,-134.936 -91.975,-134.936 ; -96.975,-93.898 -91.975,-93.898 ; -96.975,-43.898 -91.975,-43.898 ; -96.975,6.102 -91.975,6.102 ; -96.975,56.14 -91.975,56.14 ; -91.975,-174.936 3.025,-174.936 ; -91.975,-169.936 93.025,-169.936 ; -91.975,-164.936 3.025,-164.936 ; -91.975,-159.936 93.025,-159.936 ; -91.975,-154.936 3.025,-154.936 ; -91.975,-149.936 93.025,-149.936 ; -91.975,-144.936 3.025,-144.936 ; -91.975,-139.936 3.025,-139.936 ; -91.975,99.564 -91.975,-187.436 ; -91.725,-187.436 93.025,-187.436 ; -84.225,-179.936 -84.225,-134.936 ; -31.975,-179.936 -31.975,-134.936 ; -16.975,-179.936 -16.975,-134.936 ; -6.975,-179.936 -6.975,-134.936 ; 3.025,-179.936 3.025,-134.936 ; 35.525,-159.936 35.525,-149.936 ; 45.525,-159.936 45.525,-134.936 ; 80.525,-179.936 80.525,-149.936 ; -91.975,-187.436 93.025,-187.436 ; -91.975,-187.436 93.025,-187.436 ; -91.975,-187.436 -96.975,-187.436 -96.975,99.564 93.025,99.564 93.025,-187.436 ; -91.975,-187.436 93.025,-187.436 ; -91.975,-187.436 -91.975,-134.936 ; -91.975,-134.936 93.025,-134.936 93.025,-187.436
  text "Schematic file and SVN revision:" at 4.275,-137.599 h1
  text "Schematic name" at 4.275,-142.413 h1.35
  text "D&D IMI Europe" at 56.116,-144.052 h2.5
  text "Rev" at 4.275,-146.281 h1.35
  text "Scale" at 38.283,-152.376 h1
  text "Size" at 84.854,-152.399 h1
  text "Layer" at 4.199,-152.542 h1
  text "Document type" at 51.006,-152.542 h1
  text "Document type" at 51.006,-152.542 h1
  text "Gerber" at 59.832,-157.081 h1.35
  text "1:1" at 40.188,-157.931 h1.35
  text "A4" at 84.946,-157.931 h1.35
  text "REV" at 84.916,-162.476 h1
  text "Title/DrawingNr" at 4.979,-162.666 h1
  text "73xxxx_PCB-Name" at 35.659,-166.211 h1.35
  text "XX" at 85.049,-166.536 h1.35
  text "Sheet" at 84.321,-171.926 h1
  text "Project" at 4.623,-172.116 h1
  text "YYYY-MM-DD" at -30.631,-172.906 h1.3
  text "XXX" at -13.436,-172.906 h1.3
  text "YYY" at -3.498,-172.906 h1.3
  text "01" at -88.312,-172.936 h1.35
  text "01" at -88.312,-172.936 h1.35
  text "Creation" at -63.656,-172.968 h1.35
  text "Creation" at -63.656,-172.968 h1.35
  text "73xxxx" at 41.56,-175.536 h1.35
  text "Rev." at -89.241,-177.936 h1.35
  text "Date" at -26.356,-177.936 h1.35
  text "Author" at -14.759,-177.936 h1.35
  text "Check" at -4.466,-177.936 h1.35
  text "Modification" at -65.353,-177.968 h1.35
  text "1/1" at 84.949,-178.408 h1.35
  text "Printed copies of this document are uncontrolled and may NOT be current. All information is strictly CONFIDENTIAL." at -91.275,-182.886 h1.05
  text "IMI Group reserves all rights even in the event of industrial property rights." at 16.825,-182.886 h1.05
  text "We reserve all rights of disposal such as copying and passing on to third parties." at -91.375,-185.936 h1.05

## Silkscreen, mask and mechanical layers (free items; w line width, h text height)
26_Silkscreen Top:
  text "Silkscreen Top" at 13.205,-156.493 h1.35
  text "Silkscreen Top" at 13.205,-156.493 h1.35
29_Silkscreen Bottom:
  text "Silkscreen Bottom" at 11.54,-156.268 h1.35
  text "Silkscreen Bottom" at 11.54,-156.268 h1.35
23_Paste Mask Top:
  text "Solder Paste Top" at 11.791,-156.461 h1.35
  text "Solder Paste Top" at 11.791,-156.461 h1.35
22_Paste Mask Bottom:
  text "Solder Paste Bottom" at 10.126,-156.236 h1.35
  text "Solder Paste Bottom" at 10.126,-156.236 h1.35
21_Solder Mask Top:
  text "Solder Mask Top" at 12.109,-156.461 h1.35
  text "Solder Mask Top" at 12.109,-156.461 h1.35
28_Solder Mask Bottom:
  text "Solder Mask Bottom" at 10.444,-156.236 h1.35
  text "Solder Mask Bottom" at 10.444,-156.236 h1.35
Notes:
  text "Assembly Top" at 13.275,-156.461 h1.35
  text "Assembly Top" at 13.275,-156.461 h1.35
Fabrication:
  text "Assembly Bottom" at 11.611,-156.461 h1.35
  text "Assembly Bottom" at 11.611,-156.461 h1.35
24_Drill Drawing:
  text "Drill Drawing" at 14.3,-156.493 h1.35
  text "Drill Drawing" at 14.3,-156.493 h1.35
Mechanical 17:
  lines w0.2: -75.025,-118.486 -75.025,46.514 74.975,46.514 74.975,-118.486 -75.025,-118.486
  text "Fabrication" at 14.828,-159.018 h1.35
  text "Fabrication" at 14.828,-159.018 h1.35

## Text inside footprints (layer, text, board x,y; h text height)
J1: Top Assy "5" at -29.742,78.336 h0.5 r270; Top Assy "1" at -29.742,90.179 h0.5 r270
J2: Top Assy "5" at -24.742,78.336 h0.5 r270; Top Assy "1" at -24.742,90.179 h0.5 r270
J3: Top Assy "5" at -41.275,87.52 h0.5 r180; Top Assy "1" at -38.133,87.52 h0.5 r180
J4: Top Assy "1" at 15.09,88.4 h0.5; Top Assy "4" at 14.971,83.45 h0.5; Top Assy "3" at 26.583,88.4 h0.5; Top Assy "6" at 26.595,83.45 h0.5
J5: Top Assy "1" at -6.91,88.4 h0.5; Top Assy "4" at -7.029,83.45 h0.5; Top Assy "3" at 4.583,88.4 h0.5; Top Assy "6" at 4.595,83.45 h0.5
J6: Top Assy "1" at -63.21,87.558 h0.5 r180
J7: Top Assy "1" at -50.21,87.558 h0.5 r180
J8: Top Assy "1" at 59.09,88.4 h0.5; Top Assy "4" at 58.971,83.45 h0.5; Top Assy "3" at 70.583,88.4 h0.5; Top Assy "6" at 70.595,83.45 h0.5
J9: Top Assy "1" at 37.09,88.4 h0.5; Top Assy "4" at 36.971,83.45 h0.5; Top Assy "3" at 48.583,88.4 h0.5; Top Assy "6" at 48.595,83.45 h0.5